# Altium PCB cyber60-mxhs.PcbDoc (part 3 of 4)
Units mm, origin at the board's own origin, x right, y up, seen from the top; angles counter-clockwise.
Board outline 284.73 x 94.2 mm, 2 copper layers (Component Side, Bottom Layer), stack 1.571 mm thick; 236 components, 146 nets, 1621 pads, 605 vias.
Unrouted connection lines stored in the file: 6.
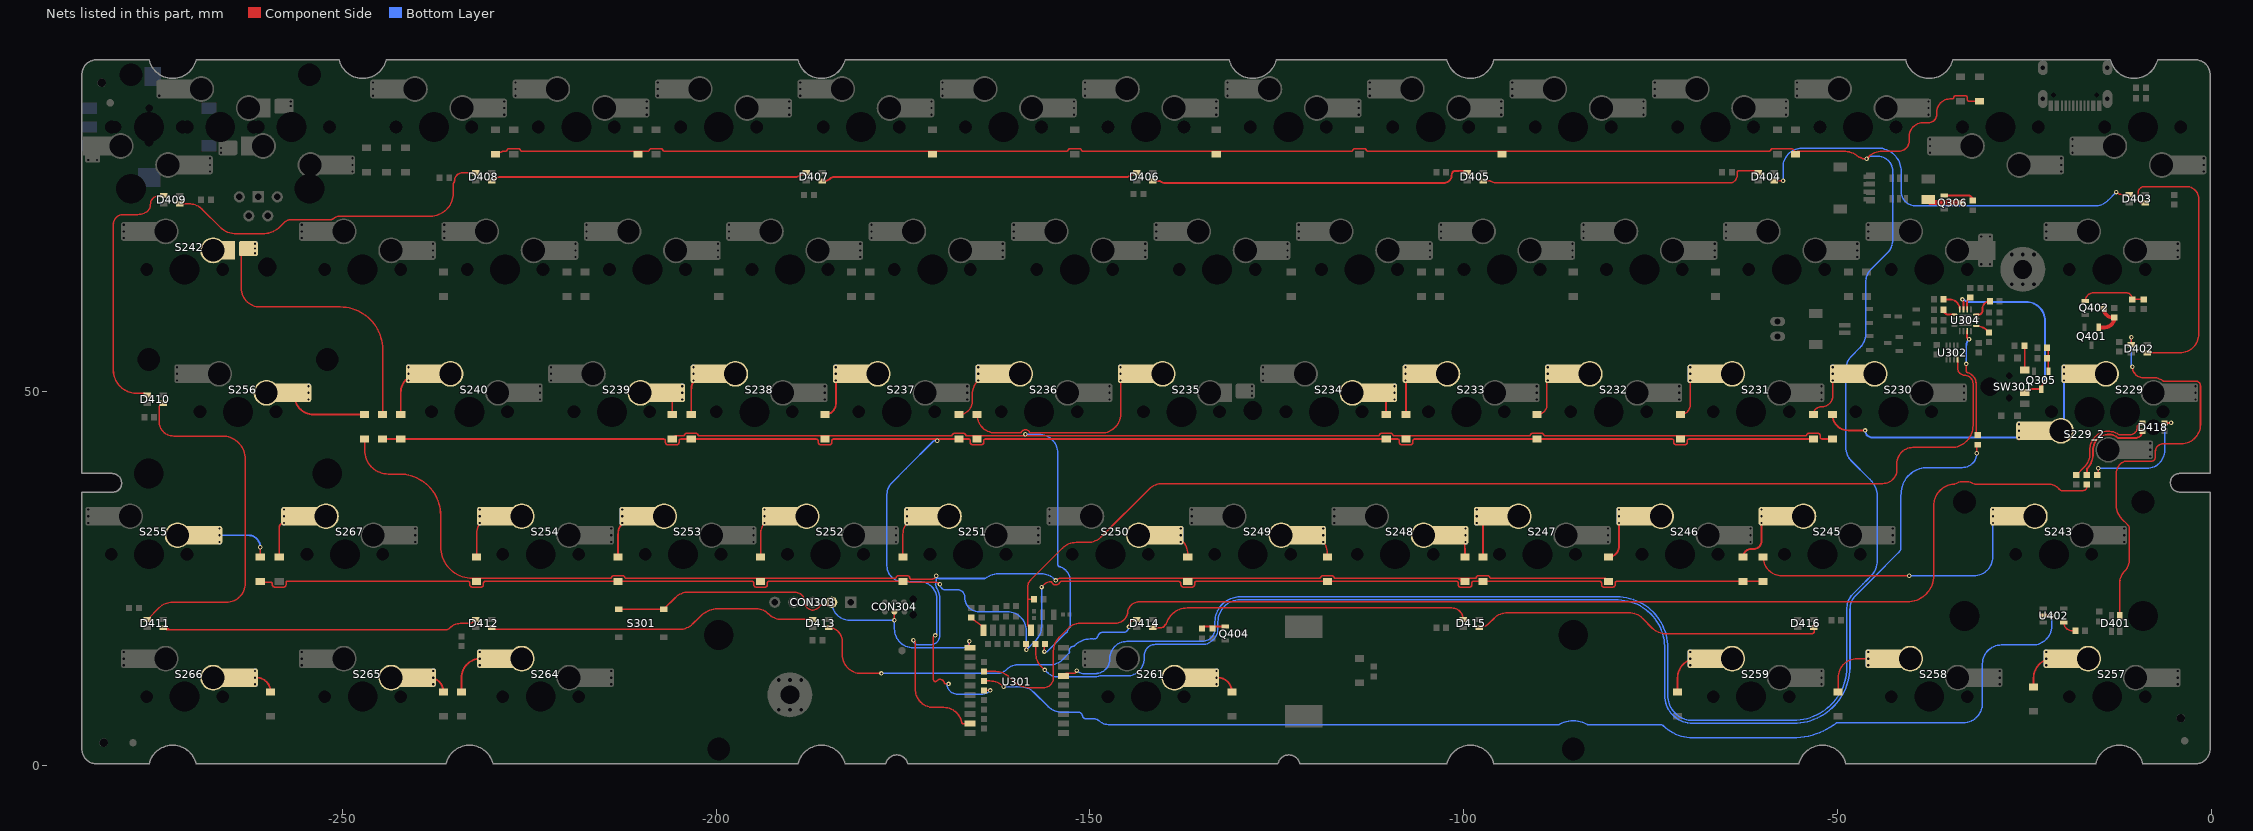
[diagram p3: the nets of this part, all layers, seen from the top]

## Via types
v1: diameter 0.6, hole 0.3, Component Side to Bottom Layer, tented both sides, 594 vias
v2: diameter 1, hole 0.5, Component Side to Bottom Layer, tented both sides, 11 vias

## Nets (pads, with @x,y where several pads share a name; then routed paths per layer and width w, separated by ;. In a path a pad name is that pad's centre, name@x,y a point inside that pad or via, vN(x,y) a via of type N, cw(c..) or ccw(c..) an arc to the next point about the centre after c; other vN are vias at no path point) (continued)
NetD229_1: D229.1 S229.1 S229_2.1 | length 37.4
  Component Side w0.203: S229_2.1@-25.714,43.561 S229_2.1@-25.714,43.886
  Component Side w0.254: D229.1@-50.673,46.95 ccw(c-48.554,46.95) -48.554,44.831 v1(-46.299,44.831)
  Bottom Layer w0.254: v1(-46.299,44.831) ccw(c-45.354,44.831) -45.354,43.886 S229_2.1@-25.714,43.886 ; S229_2.1@-20.104,44.775 ccw(c-21.124,45.796) -19.681,45.796 S229.1@-19.681,51.506
  Bottom Layer w0.7: S229_2.1@-25.714,43.886 S229_2.1@-25.714,44.775 S229_2.1@-25.714,45.664 ; S229.1@-19.681,51.506 S229.1@-19.681,52.395 S229.1@-19.681,53.284
NetD230_1: D230.1 S230.1 | length 8
  Component Side w0.203: D230.1@-53.213,46.95 cw(c-52.157,46.95) -52.157,48.006 -52.07,48.006 ccw(c-52.07,49.438) -51.12,48.367 ccw(c-52.07,49.438) -50.638,49.438 S230.1@-50.638,51.506 ; S230.1@-48.895,52.395 S230.1@-48.778,52.395
  Bottom Layer w0.7: S230.1@-50.638,51.506 S230.1@-50.638,52.395 S230.1@-50.638,53.284
NetD231_1: D231.1 S231.1 | length 7.7
  Component Side w0.203: D231.1@-70.993,46.95 ccw(c-70.993,48.255) -69.688,48.255 S231.1@-69.688,51.506 ; S231.1@-68.453,52.395 S231.1@-67.828,52.395
  Bottom Layer w0.7: S231.1@-69.688,51.506 S231.1@-69.688,52.395 S231.1@-69.688,53.284
NetD232_1: D232.1 S232.1 | length 7.1
  Component Side w0.203: D232.1@-90.17,46.95 ccw(c-90.17,48.255) -88.865,48.255 S232.1@-88.865,51.506
  Bottom Layer w0.7: S232.1@-88.738,51.506 S232.1@-88.738,52.395 S232.1@-88.738,53.284
NetD233_1: D233.1 S233.1 | length 7.3
  Component Side w0.254: S233.1@-107.788,52.395 cw(c-107.788,52.303) -107.696,52.303 D233.1@-107.696,46.95
  Bottom Layer w0.7: S233.1@-107.788,51.506 S233.1@-107.788,52.395 S233.1@-107.788,53.284
NetD234_1: D234.1 S234.1 | length 5
  Component Side w0.254: S234.1@-111.128,49.855 -110.363,49.09 D234.1@-110.363,46.95
  Bottom Layer w0.7: S234.1@-109.268,48.966 S234.1@-109.268,49.855 S234.1@-109.268,50.744
NetD235_1: D235.1 S235.1 | length 28.8
  Component Side w0.203: D235.1@-165.1,47.117 D235.1@-165.1,46.95 ccw(c-162.636,46.95) -165.075,46.597 ccw(c-162.636,46.95) -162.636,44.486 -159.338,44.486 ccw(c-159.339,44.69) -159.159,44.596 cw(c-158.623,44.323) -158.087,44.596 ccw(c-157.907,44.69) -157.908,44.486 -148.428,44.486 ccw(c-148.428,47.026) -145.888,47.026 S235.1@-145.888,51.506
  Bottom Layer w0.7: S235.1@-145.888,51.506 S235.1@-145.888,52.395 S235.1@-145.888,53.284
NetD236_1: D236.1 S236.1 | length 10
  Component Side w0.203: D236.1@-167.513,46.95 ccw(c-167.513,48.728) -165.735,48.728 -165.735,49.657 cw(c-163.195,49.657) -164.991,51.453 S236.1@-164.938,51.506 ; S236.1@-164.038,52.395 ccw(c-164.038,50.317) -164.781,52.258 cw(c-163.957,49.855) -163.957,52.395 S236.1@-163.078,52.395
  Bottom Layer w0.7: S236.1@-164.938,51.506 S236.1@-164.938,52.395 S236.1@-164.938,53.284
NetD237_1: D237.1 S237.1 | length 7.9
  Component Side w0.254: D237.1@-185.42,46.95 ccw(c-185.42,48.382) -183.988,48.382 S237.1@-183.988,51.506 ; S237.1@-182.88,52.395 S237.1@-182.128,52.395
  Bottom Layer w0.7: S237.1@-183.988,51.506 S237.1@-183.988,52.395 S237.1@-183.988,53.284
NetD238_1: D238.1 S238.1 | length 8.4
  Component Side w0.254: D238.1@-203.327,46.95 -203.327,50.246 cw(c-201.178,50.246) S238.1@-201.178,52.395
  Bottom Layer w0.7: S238.1@-203.038,51.506 S238.1@-203.038,52.395 S238.1@-203.038,53.284
NetD239_1: D239.1 S239.1 | length 5
  Component Side w0.254: S239.1@-206.378,49.855 cw(c-206.378,49.344) -205.867,49.344 D239.1@-205.867,46.95
  Bottom Layer w0.7: S239.1@-204.518,48.966 S239.1@-204.518,50.744
NetD240_1: D240.1 S240.1 | length 9
  Component Side w0.254: D240.1@-242.189,46.95 -242.189,49.855 cw(c-239.649,49.855) -239.649,52.395 S240.1@-239.278,52.395
  Bottom Layer w0.7: S240.1@-241.138,51.506 S240.1@-241.138,53.284
NetD242_1: D242.1 S242.2 | length 38.6
  Component Side w0.203: S242.2@-263.529,68.905 -263.529,63.881 ccw(c-260.989,63.881) -260.989,61.341 -250.28,61.341 cw(c-250.28,55.663) -244.602,55.663 D242.1@-244.602,46.95
  Bottom Layer w0.7: S242.2@-261.669,68.515 S242.2@-261.669,69.16 S242.2@-261.669,69.794
NetD243_1: D243.1 S243.1 | length 39.9
  Component Side w0.203: D243.1@-59.944,27.9 ccw(c-57.444,27.9) -57.444,25.4 v1(-40.386,25.4)
  Bottom Layer w0.203: v1(-40.386,25.4) -31.746,25.4 ccw(c-31.746,27.94) -29.206,27.94 S243.1@-29.206,32.456
  Bottom Layer w0.7: S243.1@-29.206,32.456 S243.1@-29.206,33.345 S243.1@-29.206,34.234
NetD245_1: D245.1 S245.1 | length 8.8
  Component Side w0.254: D245.1@-62.611,27.9 cw(c-61.555,27.9) -61.904,28.897 cw(c-61.555,27.9) -61.555,28.956 -61.214,28.956 ccw(c-61.214,30.007) -60.163,30.007 S245.1@-60.163,32.456 ; S245.1@-59.182,33.345 S245.1@-58.303,33.345
  Bottom Layer w0.7: S245.1@-60.163,32.456 S245.1@-60.163,33.345 S245.1@-60.163,34.234
NetD246_1: D246.1 S246.1 | length 7.9
  Component Side w0.254: D246.1@-80.645,27.9 ccw(c-80.645,29.332) -79.213,29.332 S246.1@-79.213,32.456 ; S246.1@-78.105,33.345 S246.1@-77.353,33.345
  Bottom Layer w0.7: S246.1@-79.213,32.456 S246.1@-79.213,33.345 S246.1@-79.213,34.234
NetD247_1: D247.1 S247.1 | length 7.8
  Component Side w0.254: D247.1@-97.409,27.9 -97.409,32.339 cw(c-96.403,32.339) S247.1@-96.403,33.345
  Bottom Layer w0.7: S247.1@-98.263,32.456 S247.1@-98.263,34.234
NetD248_1: D248.1 S248.1 | length 5.7
  Component Side w0.203: S248.1@-101.603,30.805 cw(c-101.603,29.024) -99.822,29.024 D248.1@-99.822,27.9
  Bottom Layer w0.7: S248.1@-99.743,29.916 S248.1@-99.743,31.694
NetD249_1: D249.1 S249.1 | length 6.1
  Component Side w0.203: S249.1@-120.652,30.805 cw(c-120.652,28.39) -118.237,28.39 D249.1@-118.237,27.9
  Bottom Layer w0.7: S249.1@-118.792,29.916 S249.1@-118.792,31.694
NetD250_1: D250.1 S250.1 | length 6.4
  Component Side w0.203: S250.1@-139.703,30.805 -139.446,30.805 cw(c-139.446,28.265) -136.906,28.265 D250.1@-136.906,27.9
  Bottom Layer w0.7: S250.1@-137.843,29.916 S250.1@-137.843,31.694
NetD251_1: D251.1 S251.1 | length 8.6
  Component Side w0.203: D251.1@-175.006,27.9 -175.006,30.942 cw(c-172.603,30.942) S251.1@-172.603,33.345
  Bottom Layer w0.7: S251.1@-174.463,32.456 S251.1@-174.463,34.234
NetD252_1: D252.1 S252.1 | length 8.6
  Component Side w0.203: D252.1@-194.056,27.9 -194.056,30.942 cw(c-191.653,30.942) S252.1@-191.653,33.345
  Bottom Layer w0.7: S252.1@-193.513,32.456 S252.1@-193.513,34.234
NetD253_1: D253.1 S253.1 | length 8.6
  Component Side w0.254: D253.1@-213.106,27.9 -213.106,30.942 cw(c-210.703,30.942) S253.1@-210.703,33.345
  Bottom Layer w0.7: S253.1@-212.563,32.456 S253.1@-212.563,34.234
NetD254_1: D254.1 S254.1 | length 8.5
  Component Side w0.203: D254.1@-232.029,27.9 -232.029,31.069 cw(c-229.753,31.069) S254.1@-229.753,33.345
  Bottom Layer w0.7: S254.1@-231.613,32.456 S254.1@-231.613,34.234
NetD255_1: D255.1 S255.1 | length 9.6
  Component Side w0.254: D255.1@-260.985,27.9 v1(-260.985,29.21)
  Bottom Layer w0.254: S255.1@-266.43,30.805 -262.58,30.805 cw(c-262.58,29.21) v1(-260.985,29.21) ; S255.1@-266.43,31.694 S255.1@-266.43,31.877
  Bottom Layer w0.7: S255.1@-266.43,29.916 S255.1@-266.43,30.805 S255.1@-266.43,31.694
NetD256_1: D256.1 S256.1 | length 13
  Component Side w0.254: S256.1@-256.39,49.855 -256.39,49.49 ccw(c-253.85,49.49) -253.85,46.95 D256.1@-247.015,46.95
  Bottom Layer w0.7: S256.1@-254.53,48.966 S256.1@-254.53,49.855 S256.1@-254.53,50.744
NetD257_1: D257.1 S257.1 | length 8
  Component Side w0.254: D257.1@-23.749,10.525 -23.749,11.755 cw(c-21.209,11.755) -21.209,14.295 S257.1@-20.202,14.295
  Bottom Layer w0.7: S257.1@-22.062,13.406 S257.1@-22.062,15.184
NetD258_1: D258.1 S258.1 | length 11
  Component Side w0.203: D258.1@-49.911,9.85 -49.911,11.755 cw(c-47.371,11.755) -47.371,14.295 S258.1@-44.009,14.295
  Bottom Layer w0.7: S258.1@-45.869,13.406 S258.1@-45.869,15.184
NetD259_1: D259.1 S259.1 | length 8.7
  Component Side w0.254: D259.1@-71.374,9.85 -71.374,11.755 cw(c-68.834,11.755) -68.834,14.295 S259.1@-67.827,14.295
  Bottom Layer w0.7: S259.1@-69.687,13.406 S259.1@-69.687,15.184
NetD261_1: D261.1 S261.2 | length 6.1
  Component Side w0.203: S261.2@-135.784,10.91 cw(c-134.939,10.91) S261.2@-134.939,11.755
  Component Side w0.254: S261.2@-132.905,11.755 cw(c-132.905,9.85) D261.1@-131,9.85
  Bottom Layer w0.7: S261.2@-133.08,10.866 S261.2@-133.08,12.644
NetD264_1: D264.1 S264.2 | length 9.4
  Component Side w0.254: D264.1@-234.061,9.85 -234.061,11.755 cw(c-231.521,11.755) -231.521,14.295 S264.2@-229.752,14.295
  Bottom Layer w0.7: S264.2@-231.612,13.406 S264.2@-231.612,15.184
NetD265_1: D265.1 S265.1 | length 6.1
  Component Side w0.254: S265.1@-239.709,11.755 -238.379,11.755 cw(c-238.379,9.85) D265.1@-236.474,9.85
  Bottom Layer w0.7: S265.1@-237.849,10.866 S265.1@-237.849,12.644
NetD266_1: D266.1 S266.1 | length 6.8
  Component Side w0.254: S266.1@-263.527,11.755 -261.493,11.755 cw(c-261.493,9.85) D266.1@-259.588,9.85
  Bottom Layer w0.7: S266.1@-261.667,10.866 S266.1@-261.667,12.644
NetD267_1: D267.1 S267.1 | length 7
  Component Side w0.203: S267.1@-256.159,33.345 S267.1@-255.946,33.345
  Component Side w0.254: D267.1@-258.445,27.9 -258.445,31.817 cw(c-257.806,31.817) S267.1@-257.806,32.456
  Bottom Layer w0.254: S267.1@-257.934,33.38 cw(c-257.934,33.126) S267.1@-257.806,33.345
  Bottom Layer w0.7: S267.1@-257.806,32.456 S267.1@-257.806,33.345 S267.1@-257.806,34.234
NetD401_2: D401.2 D402.4 | length 56.1
  Component Side w0.203: D401.2@-12.25,20.065 -12.25,24.336 cw(c-9.822,24.336) -11.539,26.053 ccw(c-12.938,27.452) -10.96,27.452 -10.96,31.742 ccw(c-11.574,31.742) -11.2,32.23 ; -11.08,32.108 ccw(c-11.574,31.742) -11.2,32.229 ; D402.4@-10.717,56.303 -10.717,57.228 cw(c-10.668,57.228) v1(-10.668,57.277) ; v1(-10.541,53.34) ccw(c-9.056,53.34) -9.056,51.855 -8.049,51.855 cw(c-7.721,49.855) -6.47,51.449 ccw(c-6.345,51.61) -6.346,51.407 -2.048,51.407 cw(c-2.048,50.792) -1.434,50.792 -1.434,45.618 cw(c-4,45.618) -4,43.053 -6.404,43.053 ccw(c-6.404,41.989) -7.467,41.989 -7.467,41.297 cw(c-8.081,41.297) -8.081,40.683 -11.535,40.683 ccw(c-11.534,40.48) -11.6,40.672 ccw(c-11.049,39.116) -12.7,39.116 -12.7,34.78 ccw(c-10.16,34.78) -12.573,33.987 ccw(c-10.16,34.78) -11.956,32.984 -11.217,32.245 ccw(c-11.075,32.39) -11.2,32.23
  Bottom Layer w0.203: v1(-10.668,57.277) -10.668,53.467 ccw(c-10.541,53.467) v1(-10.541,53.34)
NetD402_2: D402.2 D403.4 | length 38.1
  Component Side w0.203: D403.4@-8.808,75.279 -9.366,75.279 cw(c-9.366,75.692) -9.779,75.692 -9.779,76.581 cw(c-8.912,76.581) -8.912,77.448 -3.302,77.448 cw(c-3.302,75.797) -1.651,75.797 -1.651,57.768 cw(c-4.216,57.768) -4.216,55.203 D402.2@-8.587,55.203
NetD403_2: D403.2 D404.4 | length 57.1
  Component Side w0.203: D404.4@-58.403,78.232 D404.4@-58.435,78.2 -57.354,78.2 ccw(c-57.354,78.309) v1(-57.277,78.232) ; v1(-12.7,76.708) ccw(c-11.906,77.502) -11.906,76.379 D403.2@-10.938,76.379
  Bottom Layer w0.203: v1(-57.277,78.232) -57.277,80.051 cw(c-54.737,80.051) -54.737,82.591 -50.795,82.591 cw(c-50.598,79.502) -50.598,82.598 -44.577,82.598 cw(c-44.577,79.502) -41.754,80.772 cw(c-44.577,79.502) -41.481,79.502 -41.481,76.835 ccw(c-39.497,76.835) -41.401,76.275 ccw(c-39.497,76.835) -41.032,75.578 ccw(c-40.875,75.706) -41.019,75.563 -40.769,75.313 -40.762,75.306 ccw(c-39.497,76.835) -40.234,74.993 ccw(c-39.497,76.835) -39.497,74.851 -17.653,74.851 -15.61,74.851 ccw(c-15.61,77.391) -13.813,75.595 v1(-12.7,76.708)
NetD404_2: D404.2 D405.4 | length 38.1
  Component Side w0.203: D405.4@-97.368,78.2 -96.47,78.2 cw(c-96.469,77.997) -96.341,78.155 ccw(c-95.737,78.898) -95.737,77.94 -64.428,77.94 ccw(c-64.428,78.95) -63.418,78.95 -63.418,79.344 cw(c-63.215,79.344) -63.247,79.545 cw(c-63.2,79.248) -63.2,79.548 -60.773,79.548 cw(c-60.772,79.345) -60.572,79.38 cw(c-61.021,79.3) D404.2@-60.565,79.3
NetD405_2: D405.2 D406.4 | length 43.2
  Component Side w0.254: D406.4@-141.585,78.2 -140.724,78.2 cw(c-140.723,77.946) -140.561,78.141 ccw(c-139.933,78.898) -139.933,77.915 -102.679,77.915 ccw(c-102.679,78.994) -101.608,78.86 ccw(c-102.679,78.994) -101.6,78.994 cw(c-100.965,78.994) -101.403,79.454 cw(c-101.229,79.269) -101.228,79.523 -99.721,79.523 cw(c-99.721,79.3) D405.2@-99.498,79.3
NetD406_2: D406.2 D407.4 | length 42.4
  Component Side w0.254: D407.4@-185.802,78.2 -185.475,78.2 ccw(c-185.475,79.176) -184.785,78.486 cw(c-184.222,77.923) -184.222,78.719 -145.164,78.719 ccw(c-145.164,79.808) -144.267,79.19 cw(c-144.058,79.046) -144.057,79.3 D406.2@-143.715,79.3
NetD407_2: D407.2 D408.4 | length 42.6
  Component Side w0.254: D408.4@-230.018,78.2 cw(c-228.765,76.947) -228.765,78.719 -189.422,78.719 ccw(c-189.422,79.947) -189.052,78.776 ccw(c-189.38,79.815) -188.487,79.191 cw(c-188.279,79.046) -188.277,79.3 D407.2@-187.932,79.3 cw(c-189.032,79.3) D407.2@-187.954,79.08
NetD408_2: D408.2 D409.4 | length 45.6
  Component Side w0.203: D409.4@-271.731,75.142 -270.528,75.142 cw(c-270.528,72.602) -269.68,74.996 cw(c-270.528,72.602) -268.732,74.398 -266.357,72.023 ccw(c-264.171,74.216) -264.171,71.12 -260.69,71.12 ccw(c-260.69,74.508) -258.293,72.114 -257.803,72.604 cw(c-256.79,71.596) -256.79,73.025 -251.513,73.025 ccw(c-251.513,73.459) -251.206,73.152 cw(c-250.401,72.347) -250.401,73.485 -238.237,73.485 ccw(c-238.237,76.581) -236.056,74.384 ccw(c-238.237,76.581) -235.365,75.425 ccw(c-238.237,76.581) -235.141,76.581 -235.141,76.76 -235.141,77.833 cw(c-234.938,77.833) -235.083,77.976 ccw(c-235.297,78.188) -234.995,78.188 cw(c-233.883,78.188) -234.957,78.476 cw(c-233.883,78.188) -234.95,78.503 cw(c-233.883,78.188) -233.883,79.3 D408.2@-232.148,79.3
NetD409_2: D409.2 D410.4 | length 34.8
  Component Side w0.203: -277.903,49.821 cw(c-277.528,52.894) -278.66,50.013 ccw(c-278.733,49.823) -278.676,50.018 -278.727,50.033 cw(c-278.669,50.228) -278.798,50.071 cw(c-277.528,52.894) -279.864,50.863 ccw(c-280.017,50.73) -279.874,50.874 -279.879,50.879 cw(c-279.736,51.023) -279.908,50.915 cw(c-277.528,52.894) -280.29,51.496 cw(c-277.528,52.894) -280.624,52.894 -280.624,72.382 cw(c-279.302,72.382) -280.217,73.336 cw(c-279.302,72.382) -279.302,73.705 -277.343,73.705 ccw(c-277.343,75.689) -276.493,73.896 cw(c-276.041,72.933) -276.437,73.92 cw(c-276.041,72.933) -276.433,73.922 ccw(c-276.885,75.048) -275.864,74.392 ccw(c-276.885,75.048) -275.685,74.868 ccw(c-275.886,74.899) -275.683,74.906 ; -277.902,49.821 ccw(c-277.528,52.894) -277.528,49.798 -276.463,49.798 D410.4@-276.065,49.55 ; -275.683,74.907 cw(c-275.082,74.93) -275.672,75.048 cw(c-274.478,75.048) -274.478,76.242 D409.2@-273.861,76.242
NetD410_2: D410.2 D411.4 | length 49.1
  Component Side w0.203: D411.4@-276.065,19.55 -274.515,21.1 cw(c-272.719,19.304) -272.719,21.844 -265.509,21.844 ccw(c-265.509,24.384) -262.969,24.384 -262.969,40.973 ccw(c-266.065,40.973) -264.778,43.789 cw(c-264.692,43.973) -264.783,43.791 ccw(c-265.938,41.529) -265.938,44.069 -272.542,44.069 cw(c-272.542,46.053) -274.137,44.873 cw(c-272.542,46.053) -274.488,45.667 cw(c-272.794,45.784) -274.492,45.784 -274.492,47.893 cw(c-273.935,47.893) D410.2@-273.935,48.45
NetD411_2: D411.2 D412.4 | length 43.3
  Component Side w0.203: D412.4@-232.148,19.55 -232.353,19.345 cw(c-233.172,20.163) -233.172,19.006 -234.2,19.006 ccw(c-234.2,17.03) -235.595,18.428 cw(c-236.301,19.131) -236.301,18.135 -272.969,18.135 ; -272.969,18.135 cw(c-272.968,18.338) -273.087,18.174 ccw(c-273.935,17.011) -273.537,18.394 D411.2@-273.935,18.45 ccw(c-273.175,19.21) -273.175,18.135 -272.969,18.135
NetD412_2: D412.2 D413.4 | length 44.3
  Component Side w0.203: D412.2@-230.018,18.45 ccw(c-229.014,19.454) -229.733,18.23 ccw(c-229.63,18.405) -229.63,18.202 -229.535,18.202 ccw(c-229.535,18.405) -229.514,18.203 cw(c-229.402,17.145) -229.4,18.209 -204.918,18.209 ccw(c-204.918,20.749) -203.122,18.953 -202.259,19.815 cw(c-199.649,17.47) -201.135,20.648 cw(c-199.649,17.47) -199.516,20.976 -194.66,20.976 cw(c-194.66,18.648) -193.014,20.294 ccw(c-191.218,22.09) -191.218,19.55 D413.4@-187.065,19.55
NetD413_2: D413.2 D414.4 | length 48.8
  Component Side w0.203: D413.2@-184.935,18.45 cw(c-184.935,16.649) -183.134,16.649 -183.134,14.859 ccw(c-180.594,14.859) -180.594,12.319 v1(-177.891,12.319) ; v1(-144.78,18.542) cw(c-143.772,18.542) -143.772,19.55 D414.4@-143.715,19.55
  Bottom Layer w0.203: v1(-177.891,12.319) -162.415,12.319 ccw(c-162.415,14.115) -161.145,12.845 cw(c-159.656,11.356) -159.656,13.462 -155.409,13.462 ccw(c-155.409,16.002) -153.613,14.206 -152.784,15.035 ccw(c-152.928,15.178) -152.731,15.225 cw(c-152.146,15.367) -152.748,15.367 cw(c-152.146,15.367) -152.186,15.967 ccw(c-152.201,16.17) -152.058,16.026 -152.012,16.071 cw(c-149.932,13.989) -149.932,16.932 -149.605,16.932 cw(c-149.604,16.529) -149.602,16.932 -149.589,16.932 cw(c-149.59,16.729) -149.563,16.93 ccw(c-149.479,17.526) -148.947,17.246 ccw(c-149.479,17.526) -148.899,17.366 cw(c-148.315,17.205) -148.899,17.368 cw(c-148.315,17.205) -148.316,17.811 -145.511,17.811 ccw(c-145.511,18.542) v1(-144.78,18.542) ; -149.563,16.93 ccw(c-149.479,17.526) -149.38,16.933
NetD414_2: D414.2 D415.4 | length 43.9
  Component Side w0.203: D414.2@-141.585,18.45 -140.502,18.45 ccw(c-140.502,19.289) -140.192,18.509 ccw(c-140.304,18.793) -140.018,18.688 ; -140.018,18.689 cw(c-139.734,18.586) -139.893,18.842 ; -139.892,18.843 ccw(c-140.054,19.101) -139.766,19.003 ccw(c-140.054,19.101) -139.763,19.011 ; -139.663,19.289 ccw(c-136.968,18.161) -139.763,19.012 cw(c-136.968,18.161) -139.177,20.073 ; -139.177,20.074 cw(c-136.968,18.161) -136.968,21.083 -101.598,21.083 cw(c-101.598,19.55) D415.4@-100.065,19.55
NetD415_2: D415.2 D416.4 | length 47.1
  Component Side w0.203: D415.2@-97.935,18.45 ccw(c-97.935,20.283) -96.639,18.986 ; -96.639,18.987 -95.922,19.703 cw(c-94.126,17.907) -94.126,20.447 -77.887,20.447 cw(c-77.887,17.907) -76.091,19.703 -74.764,18.376 ccw(c-72.968,20.172) -72.968,17.632 -53.419,17.632 ccw(c-53.419,17.966) -53.086,17.966 -53.086,18.384 ccw(c-53.152,18.384) D416.4@-53.152,18.45
NetD418_1: D418.1 R411.2 | length 14.2
  Component Side w0.203: R411.2@-18.034,38.877 -16.977,39.934 ccw(c-18.791,41.748) -16.226,41.748 cw(c-14.298,41.748) -16.218,41.918 ccw(c-16.421,41.935) -16.219,41.957 cw(c-13.754,42.235) -16.226,42.035 cw(c-13.754,42.235) -16.226,42.435 cw(c-13.754,42.235) -16.168,42.803 ; -15.894,43.489 ccw(c-13.754,42.235) -16.168,42.803 ; D418.1@-9.223,45.804 -9.314,45.804 ccw(c-9.314,45.212) -9.57,45.746 ccw(c-9.314,45.212) -9.906,45.212 cw(c-10.878,45.212) -9.906,45.181 cw(c-10.11,45.188) -9.913,45.135 ccw(c-9.623,45.054) -9.925,45.054 -9.925,45.043 cw(c-10.128,45.044) -9.929,45.002 cw(c-10.878,45.212) -10.878,44.24 -12.23,44.24 cw(c-12.229,44.444) -12.344,44.276 ccw(c-13.754,42.235) -16.168,42.804
NetD418_3: D418.3 R409.1 | length 13
  Component Side w0.254: R409.1@-16.336,38.898 -16.339,38.898 R409.1@-16.637,38.877 -16.637,39.569 cw(c-16.383,39.568) -16.572,39.738 ccw(c-18.791,41.748) -15.797,41.748 cw(c-14.298,41.748) -15.788,41.912 ccw(c-16.041,41.939) -15.789,41.971 cw(c-13.754,42.235) -15.799,42.069 cw(c-13.754,42.235) -15.799,42.072 ; -15.799,42.073 cw(c-13.754,42.235) -15.764,42.649 ; -15.463,43.37 ccw(c-13.754,42.235) -15.764,42.649 ; D418.3@-9.223,44.704 cw(c-10.115,44.704) -10.115,43.812 -12.353,43.812 cw(c-12.352,44.066) -12.505,43.863 ccw(c-13.754,42.235) -14.386,44.187 ccw(c-13.754,42.235) -15.764,42.649
NetD418_4: D418.4 R410.1 | length 16.3
  Component Side w0.203: R410.1@-15.24,38.877 -15.113,39.004 v1(-15.113,39.751)
  Component Side w0.254: D418.4@-6.223,45.804 -5.377,45.804 ccw(c-5.377,45.847) v1@-5.334,45.847
  Bottom Layer w0.203: v1(-15.113,39.751) -8.636,39.751 ccw(c-8.636,42.164) -6.223,42.164 -6.223,45.001 cw(c-5.377,45.001) v1(-5.377,45.847)
NetF301_1: F301.1 Q306.3 | length 4.7
  Component Side w0.7: F301.1@-37.846,75.739 ccw(c-37.418,75.739) -37.418,75.311 Q306.3@-33.344,75.311
NetL301_2: L301.2 U301.25 | length 2.4
  Component Side w0.203: L301.2@-165.889,19.797 -165.566,19.499 -164.541,18.754 U301.25@-164.243,18.106
NetQ305_1: Q305.1 R305.2 R306.1 | length 3.2
  Component Side w0.203: R306.1@-21.956,55.88 cw(c-22.374,55.462) -21.783,55.462 Q305.1@-21.783,52.762
NetQ305_3: Q305.3 SW301.2 U304.15 | length 25.6
  Component Side w0.254: v1(-33.274,62.357) cw(c-33.59,62.041) -33.143,62.041 U304.15@-33.143,61.013 ; SW301.2@-24.925,49.9 cw(c-23.81,48.785) -23.81,50.362 Q305.3@-22.733,50.362 cw(c-21.676,50.362) -22.423,51.11 v1(-22.225,51.308)
  Bottom Layer w0.254: v1(-33.274,62.357) -33.201,62.357 cw(c-33.202,62.103) -33.012,62.271 ccw(c-32.48,62.738) -32.481,62.03 -24.765,62.03 cw(c-24.765,59.49) -22.225,59.49 v1(-22.225,51.308)
NetQ306_1: Q306.1 R315.1 | length 4.3
  Component Side w0.254: Q306.1@-35.744,76.261 -32.558,76.261 cw(c-32.558,75.58) R315.1@-31.877,75.58
NetQ401_1: Q401.1 Q402.3 R402.1 | length 5.1
  Component Side w0.5: Q401.1@-15.052,58.604 -14.279,58.604 ccw(c-14.279,59.929) R402.1@-12.954,59.929 -13.136,59.929 cw(c-13.136,61.214) Q402.3@-14.421,61.214
NetQ402_1: Q402.1 R401.2 R403.1 | length 8.9
  Component Side w0.203: Q402.1@-16.821,62.164 cw(c-15.739,62.164) -15.739,63.246 -11.415,63.246 cw(c-11.415,62.372) R401.2@-10.541,62.372 R403.1@-9.017,62.372
NetQ404_1: Q404.1 R406.1 R408.1 | length 3.3
  Component Side w0.254: R406.1@-135.001,18.303 cw(c-134.701,18.303) -134.701,18.603 Q404.1@-131.883,18.603
NetR307_1: R307.1 U304.14 | length 1.7
  Component Side w0.254: U304.14@-32.643,61.013 -32.643,61.973 cw(c-31.762,61.973) R307.1@-32.385,62.596
NetR308_1: R308.1 U304.12 | length 3
  Component Side w0.254: U304.12@-31.443,60.313 -31.127,60.313 ccw(c-31.127,60.833) -30.607,60.833 -30.607,61.102 cw(c-29.606,61.102) R308.1@-29.606,62.103
NetR310_1: R310.1 U304.16 | length 2.9
  Component Side w0.254: R310.1@-35.799,62.357 -34.987,62.357 cw(c-34.987,61.013) U304.16@-33.643,61.013
NetR311_1: R311.1 SW301.1 | length 3.3
  Component Side w0.203: R311.1@-25.004,56.134 -24.925,56.055 SW301.1@-24.925,52.9
NetR312_1: R312.1 U304.9 | length 2
  Component Side w0.254: U304.9@-31.443,58.813 cw(c-31.443,56.787) -30.011,58.22 R312.1@-29.718,57.927
NetR313_1: R313.1 U304.1 | length 1.8
  Component Side w0.254: R313.1@-35.799,60.96 ccw(c-35.152,60.96) -35.152,60.313 U304.1@-34.343,60.313
NetR314_1: R314.1 U304.7 | length 15.3
  Component Side w0.203: v1(-32.766,53.721) -32.766,52.784 ccw(c-32.524,52.784) -32.731,52.658 ccw(c-32.557,52.764) -32.611,52.568 cw(c-33.02,51.054) -32.524,52.542 cw(c-33.02,51.054) -31.452,51.054 -31.452,45.488 cw(c-34.798,45.488) -31.455,45.331 -31.455,44.424 ccw(c-31.242,44.424) R314.1@-31.426,44.316 ; R314.1@-31.569,44.396 -31.565,44.396 R314.1@-31.426,44.316 ; R314.1@-31.426,44.316 ccw(c-31.242,44.424) R314.1@-31.242,44.211 R314.1@-31.426,44.316
  Component Side w0.254: U304.7@-32.643,58.113 -32.643,57.281 ccw(c-32.385,57.281) v1(-32.385,57.023)
  Bottom Layer w0.254: v1(-32.766,53.721) -32.766,56.103 cw(c-31.465,56.103) v1(-32.385,57.023)
NetR407_2: R407.2 U402.4 | length 2.1
  Component Side w0.203: U402.4@-19.707,19.116 ccw(c-18.625,19.116) -18.625,18.034 R407.2@-18.176,18.034
P0.02/AIN0: D201.2 D203.2 D205.2 D207.2 D209.2 D211.2 D213.2 U301.7 | length 411.6
  Component Side w0.203: D213.2@-229.489,81.78 cw(c-229.227,81.78) -229.227,82.042 -228.831,82.042 ccw(c-228.831,82.245) -228.716,82.077 cw(c-228.374,81.577) -228.374,82.183 -228.168,82.183 ccw(c-228.168,82.386) -227.974,82.325 cw(c-227.686,82.235) -227.686,82.537 -226.466,82.537 cw(c-226.466,82.235) -226.178,82.325 ccw(c-225.984,82.386) -225.984,82.183 -210.439,82.183 -209.118,82.183 ccw(c-209.118,82.386) -208.924,82.325 cw(c-208.636,82.235) -208.636,82.537 -207.416,82.537 cw(c-207.416,82.235) -207.128,82.325 ccw(c-206.934,82.386) -206.934,82.183 -171.069,82.183 -153.111,82.183 ccw(c-153.111,82.386) -152.917,82.325 cw(c-152.629,82.235) -152.629,82.537 -151.409,82.537 cw(c-151.409,82.235) -151.121,82.325 ccw(c-150.927,82.386) -150.927,82.183 -133.096,82.183 -125.984,82.183 -115.011,82.183 ccw(c-115.011,82.386) -114.817,82.325 cw(c-114.529,82.235) -114.529,82.537 -113.309,82.537 cw(c-113.309,82.235) -113.021,82.325 ccw(c-112.827,82.386) -112.827,82.183 -94.869,82.183 -59.131,82.183 ccw(c-59.131,82.386) -58.937,82.325 cw(c-58.649,82.235) -58.649,82.537 -56.228,82.537 cw(c-56.228,82) D203.2@-55.691,82 ; U301.7@-153.543,11.946 cw(c-153.17,11.946) -153.17,12.319 -152.146,12.319 ccw(c-152.146,12.7) v1(-151.765,12.7) ; D203.2@-55.626,81.78 cw(c-55.223,81.78) -55.223,82.183 -49.177,82.183 cw(c-49.177,79.24) -47.205,81.425 ccw(c-47.069,81.575) -47.081,81.373 cw(c-47.117,80.772) -46.72,81.224 ccw(c-46.586,81.377) -46.602,81.174 cw(c-46.634,80.772) -46.592,81.173 cw(c-46.656,80.57) -46.511,81.159 ccw(c-46.462,81.356) -46.462,81.153 v1(-46.101,81.153) -45.815,81.439 ccw(c-45.983,81.553) -45.811,81.445 cw(c-45.297,81.124) -45.654,81.613 cw(c-43.914,79.24) -45.303,81.835 ccw(c-45.398,82.014) -45.296,81.839 cw(c-44.019,79.643) -44.019,82.183 -41.79,82.183 ccw(c-41.79,83.587) -40.386,83.587 -40.386,84.201 cw(c-38.608,84.201) -38.608,85.979 -37.846,85.979 ccw(c-37.846,87.122) -36.703,87.122 -36.703,87.437 cw(c-34.969,87.437) -34.969,89.171 -34.964,89.176 -34.797,89.176 -34.639,89.176 ccw(c-34.639,89.379) -34.438,89.355 cw(c-34.138,89.32) -34.138,89.622 -32.918,89.622 cw(c-32.918,89.32) -32.616,89.32 -32.616,89.068 ccw(c-32.413,89.068) -32.413,88.865 D201.2@-30.988,88.865
  Bottom Layer w0.203: v1(-151.765,12.7) ccw(c-150.792,13.673) -150.792,12.297 -149.273,12.297 ccw(c-149.273,14.224) -147.346,14.224 -147.346,14.366 cw(c-147.143,14.365) -147.346,14.37 ; -147.346,14.371 cw(c-147.143,14.365) -147.345,14.383 ccw(c-147.949,14.442) -147.343,14.41 ccw(c-147.949,14.442) -147.343,14.413 ccw(c-147.949,14.442) -147.343,14.414 cw(c-145.039,14.295) -147.309,14.707 ; -147.334,14.528 cw(c-145.039,14.295) -147.026,15.466 cw(c-145.039,14.295) -146.627,15.968 cw(c-145.039,14.295) -145.033,16.601 ; -146.005,16.39 cw(c-145.039,14.295) -145.033,16.601 ; -145.031,16.601 ccw(c-145.03,16.398) -145.033,16.601 ; -145.03,16.601 -143.002,16.601 -142.966,16.601 -142.839,16.601 -142.712,16.601 -142.51,16.601 -140.316,16.601 -135.163,16.601 -134.996,16.601 ccw(c-135.001,18.335) -133.267,18.335 -133.267,19.221 cw(c-129.921,19.221) -131.207,22.31 cw(c-129.921,19.221) -129.921,22.567 -79.826,22.567 -79.143,22.567 ccw(c-79.071,22.757) -79.085,22.554 cw(c-79.502,15.769) -72.716,16.158 ccw(c-72.513,16.171) -72.704,16.103 -72.704,15.445 -72.704,14.478 -72.704,12.341 -72.704,12.117 -72.704,9.382 ccw(c-69.358,9.382) -72.704,9.378 ccw(c-69.358,9.382) -72.408,8.005 ccw(c-69.358,9.382) -71.689,6.981 ccw(c-69.358,9.382) -70.19,6.141 ccw(c-69.358,9.382) -69.363,6.036 ccw(c-69.358,9.382) -69.358,6.036 -66.802,6.036 -64.135,6.036 -59.055,6.036 -58.41,6.036 -58.166,6.036 ccw(c-58.166,6.439) -58.165,6.036 -55.993,6.036 ccw(c-55.991,6.842) -55.991,6.036 ccw(c-55.991,6.842) -55.976,6.036 cw(c-55.974,5.833) -55.975,6.036 -55.891,6.036 ccw(c-55.889,6.842) -55.882,6.036 ccw(c-55.949,13.263) -48.724,13.076 ccw(c-49.53,13.095) -48.724,13.095 -48.724,21.098 cw(c-46.184,21.098) -47.98,22.894 -46.581,24.293 cw(c-46.437,24.149) -46.564,24.308 ccw(c-46.816,24.622) -46.533,24.335 ccw(c-46.816,24.622) -46.531,24.338 -46.085,24.783 -45.521,25.348 ccw(c-47.603,27.428) -44.66,27.428 -44.66,35.905 ccw(c-48.006,35.905) -44.745,36.654 ccw(c-48.006,35.905) -45.639,38.27 -48.151,40.782 cw(c-46.355,42.579) -48.895,42.579 -48.895,52.929 cw(c-46.355,52.929) -48.151,54.725 -46.972,55.904 ccw(c-48.768,57.7) -46.228,57.7 -46.228,64.607 cw(c-43.688,64.607) -45.484,66.403 -43.337,68.55 ccw(c-45.133,70.347) -42.593,70.347 -42.593,79.502 ccw(c-44.577,79.502) -44.577,81.486 -45.683,81.486 ccw(c-45.683,81.283) -45.827,81.427 v1(-46.101,81.153)
P0.05: R303.2 U301.15 U302.8 | length 154.1
  Component Side w0.203: U301.15@-157.893,18.106 cw(c-156.859,19.14) -158.07,18.321 cw(c-156.859,19.14) -158.321,19.14 -158.321,22.225 ; R303.2@-157.495,22.225 -158.321,22.225 ; -42.047,39.624 -42.047,40.408 cw(c-39.91,40.408) -41.323,42.011 cw(c-41.19,41.858) -41.317,42.017 -41.274,42.051 ccw(c-41.401,42.209) -41.258,42.065 cw(c-41.115,41.921) -41.243,42.079 cw(c-39.91,40.408) -39.91,42.545 -34.798,42.545 ccw(c-34.798,45.488) -31.855,45.488 -31.855,51.054 ccw(c-33.02,51.054) -33.02,52.219 cw(c-33.02,53.108) -33.909,53.108 -33.909,53.812 ; -42.037,39.624 cw(c-43.942,39.624) -43.942,37.719 -140.288,37.719 ccw(c-140.288,35.154) -142.102,36.968 -148.474,30.596 cw(c-150.288,32.41) -150.288,29.845 -151.845,29.845 ccw(c-151.845,27.28) -153.659,29.094 -157.929,24.824 ccw(c-156.98,23.876) -158.321,23.876 -158.321,22.225 ; -33.909,53.812 cw(c-32.639,53.987) -33.921,53.987 U302.8@-33.921,54.3 -33.909,54.3 -33.909,53.812
P0.06: R314.2 U301.14 | length 175.4
  Component Side w0.203: U301.14@-157.253,16.256 -157.253,15.056 ccw(c-154.713,15.056) -156.509,13.26 v1(-156.037,12.789) ; v1(-31.369,41.783) -31.369,42.784 cw(c-31.242,42.784) R314.2@-31.242,42.911
  Bottom Layer w0.203: v1(-156.037,12.789) -155.645,12.396 ccw(c-154.432,13.609) -154.432,11.894 -149.273,11.894 ccw(c-149.273,14.224) -148.64,11.981 cw(c-148.586,11.785) -148.587,11.989 -146.685,11.989 cw(c-146.685,11.585) -146.684,11.989 -146.431,11.989 -145.033,11.989 ccw(c-145.039,14.295) -143.517,12.563 ccw(c-145.039,14.295) -142.905,13.422 ccw(c-145.039,14.295) -142.733,14.311 -142.733,14.699 cw(c-141.234,14.699) -141.234,16.198 cw(c-141.232,15.995) -141.232,16.198 -140.97,16.198 -140.775,16.198 ; -140.318,16.198 -140.775,16.198 ; -41.818,28.48 -45.235,25.063 -45.881,24.418 -46.248,24.051 ccw(c-43.385,21.191) -46.249,24.049 -47.576,22.722 ccw(c-45.78,20.926) -48.32,20.926 -48.32,13.095 cw(c-49.53,13.095) -48.321,13.069 cw(c-55.949,13.263) -55.876,5.633 cw(c-55.889,6.842) -55.892,5.633 -55.972,5.633 cw(c-55.991,6.842) -55.993,5.632 -56.616,5.632 -57.023,5.632 -58.163,5.632 cw(c-58.166,6.439) -58.166,5.632 cw(c-58.166,6.439) -58.168,5.632 -69.358,5.632 cw(c-69.358,9.382) -69.364,5.632 cw(c-69.358,9.382) -73.108,9.382 -73.108,14.673 ccw(c-80.598,14.673) -73.108,14.684 -73.108,15.936 -73.111,15.964 ccw(c-79.502,15.769) -79.307,22.161 cw(c-79.3,22.364) -79.335,22.164 -80.598,22.164 -129.921,22.164 ccw(c-129.921,19.221) -132.864,19.221 -132.864,18.335 cw(c-135.001,18.335) -134.995,16.198 -140.775,16.198 ; -41.818,28.48 ccw(c-42.545,29.215) -41.511,29.215 -41.511,35.814 cw(c-37.465,35.814) -41.469,36.396 ; -41.467,36.42 cw(c-37.973,36.366) -38.74,39.775 cw(c-37.973,36.366) -37.973,39.86 -35.941,39.86 -33.292,39.86 ccw(c-33.292,41.783) v1(-31.369,41.783)
P0.08: D243.2 D245.2 D247.2 D249.2 D251.2 D253.2 D255.2 U301.16 | length 222.1
  Component Side w0.203: D255.2@-260.985,24.63 -260.477,24.511 -259.56,24.511 cw(c-259.56,24.308) -259.357,24.308 -259.357,24.175 ccw(c-259.055,24.175) -259.055,23.873 -257.835,23.873 ccw(c-257.835,24.175) -257.533,24.175 -257.533,24.477 cw(c-257.33,24.477) -257.33,24.68 -233.25,24.68 cw(c-233.28,24.479) -233.144,24.63 cw(c-233.144,24.427) -232.941,24.427 -232.941,24.175 ccw(c-232.639,24.175) -232.639,23.873 -231.419,23.873 ccw(c-231.419,24.175) -231.117,24.175 -231.117,24.427 cw(c-230.914,24.427) -230.914,24.63 D253.2@-213.106,24.63 -195.171,24.63 cw(c-195.171,24.427) -194.968,24.427 -194.968,24.175 ccw(c-194.666,24.175) -194.666,23.873 -193.446,23.873 ccw(c-193.446,24.175) -193.144,24.175 -193.144,24.427 cw(c-192.941,24.427) -192.941,24.63 D251.2@-175.006,24.63 -174.314,24.63 cw(c-174.315,24.427) -174.209,24.601 ccw(c-173.892,25.117) -173.892,24.511 -170.666,24.511 cw(c-170.666,23.644) v1(-170.053,24.257) ; U301.16@-158.523,16.256 cw(c-158.588,16.191) -158.496,16.191 v1(-158.496,15.494) ; v1(-156.464,23.876) -156.064,24.276 cw(c-155.276,23.489) -155.276,24.603 -155.258,24.601 cw(c-155.276,24.399) -155.095,24.492 ccw(c-154.559,24.765) -154.013,24.513 cw(c-153.829,24.427) -153.83,24.63 -138.147,24.63 cw(c-138.147,24.301) -137.818,24.301 -137.818,24.175 ccw(c-137.516,24.175) -137.516,23.873 -136.296,23.873 ccw(c-136.296,24.175) -135.994,24.175 -135.994,24.427 cw(c-135.791,24.427) -135.791,24.63 D249.2@-118.237,24.63 -100.937,24.63 cw(c-100.937,24.427) -100.734,24.427 -100.734,24.175 ccw(c-100.432,24.175) -100.432,23.873 -99.212,23.873 ccw(c-99.212,24.175) -98.91,24.175 -98.91,24.427 cw(c-98.707,24.427) -98.707,24.63 D247.2@-97.409,24.63 -81.76,24.63 cw(c-81.76,24.427) -81.557,24.427 -81.557,24.175 ccw(c-81.255,24.175) -81.255,23.873 -80.035,23.873 ccw(c-80.035,24.175) -79.733,24.175 -79.733,24.427 cw(c-79.53,24.427) -79.53,24.63 D245.2@-62.611,24.63 D243.2@-59.944,24.63
  Bottom Layer w0.203: v1(-170.053,24.257) ccw(c-169.291,24.257) -169.291,23.495 -167.64,23.495 cw(c-167.64,22.606) -166.751,22.606 -166.751,22.479 ccw(c-164.846,22.479) -164.846,20.574 -161.036,20.574 cw(c-161.036,18.034) -158.496,18.034 v1(-158.496,15.494) -157.208,16.782 ccw(c-159.004,18.578) -156.464,18.578 v1(-156.464,23.876)
P0.09/NFC1: D246.2 D248.2 D250.2 D252.2 D254.2 D256.2 U301.41 | length 212.1
  Component Side w0.203: D256.2@-247.015,43.68 -247.015,42.166 ccw(c-243.838,42.166) -243.838,38.989 -242.343,38.989 cw(c-242.343,33.501) -236.855,33.501 -236.855,29.323 ccw(c-232.565,29.323) -232.565,25.033 -232.029,25.033 -214.198,25.033 ccw(c-214.198,25.236) -214.004,25.175 cw(c-213.716,25.085) -213.716,25.387 -212.496,25.387 cw(c-212.496,25.085) -212.208,25.175 ccw(c-212.014,25.236) -212.014,25.033 -196.977,25.033 -195.171,25.033 cw(c-195.171,24.427) -195.169,25.033 -191.135,25.033 -176.098,25.033 ccw(c-176.098,25.236) -175.904,25.175 cw(c-175.616,25.085) -175.616,25.387 -174.396,25.387 cw(c-174.396,25.085) -174.095,25.104 ccw(c-173.892,25.117) -173.892,24.914 -172.72,24.914 -171.248,24.914 ccw(c-171.248,25.706) v1@-170.688,25.146 ; v1(-173.609,16.764) -173.366,16.521 -173.366,10.22 ccw(c-170.915,10.22) -173.101,9.112 ccw(c-170.915,10.22) -170.915,7.769 -169.545,7.769 cw(c-169.545,5.334) -167.148,5.762 ccw(c-166.948,5.799) -166.949,5.596 U301.41@-166.043,5.596 ; v1(-154.559,24.765) cw(c-153.912,24.118) -153.915,25.033 -153.671,25.033 ccw(c-153.671,25.236) -153.67,25.033 -135.363,25.033 -119.329,25.033 ccw(c-119.329,25.236) -119.135,25.175 cw(c-118.847,25.085) -118.847,25.387 -117.627,25.387 cw(c-117.627,25.085) -117.339,25.175 ccw(c-117.145,25.236) -117.145,25.033 -100.934,25.033 ; D248.2@-99.822,24.63 -100.237,24.63 cw(c-100.237,24.833) -100.412,24.731 ccw(c-100.937,24.427) -100.934,25.033 ; D246.2@-80.645,24.63 ccw(c-81.048,24.63) -81.048,25.033 -96.317,25.033 cw(c-96.317,25.236) -96.511,25.175 ccw(c-96.799,25.085) -96.799,25.387 -98.019,25.387 ccw(c-98.019,25.085) -98.307,25.175 cw(c-98.501,25.236) -98.501,25.033 -100.934,25.033
  Bottom Layer w0.203: v1(-173.609,16.764) ccw(c-172.996,16.764) -173.191,16.183 ccw(c-172.996,16.764) -172.996,16.151 -171.334,16.151 ccw(c-171.334,17.399) -170.086,17.399 -170.086,20.394 ccw(c-170.29,20.394) -170.086,20.398 -170.088,20.451 cw(c-169.884,20.455) -170.087,20.475 ccw(c-171.486,20.626) -170.09,20.804 cw(c-169.888,20.828) -170.091,20.827 -170.091,21.018 -170.091,21.208 ; -170.091,21.209 -170.091,22.359 ccw(c-172.713,22.359) -170.292,23.365 ccw(c-172.713,22.359) -170.528,23.808 cw(c-170.358,23.919) -170.561,23.918 ccw(c-170.758,23.869) -170.58,23.967 cw(c-170.053,24.257) -170.584,24.539 ccw(c-170.764,24.634) -170.561,24.633 v1(-170.561,25.4) ccw(c-170.18,25.4) -170.18,25.019 -164.065,25.019 ccw(c-164.066,25.222) -163.942,25.061 cw(c-162.225,22.86) -162.225,25.652 -161.417,25.652 ; -161.417,25.654 -160.183,25.654 cw(c-160.184,24.602) -160.182,25.654 ; -160.135,25.653 ccw(c-160.184,24.602) -160.182,25.654 ; v1(-154.559,24.765) -154.704,24.91 ccw(c-156.5,23.114) -156.5,25.654 -160.182,25.654
P0.17: R409.2 U301.30 | length 169.7
  Component Side w0.203: U301.30@-164.193,12.581 -162.604,12.581 cw(c-162.604,10.041) -160.808,11.837 -160.401,11.43 ; -160.4,11.429 -160.367,11.396 ccw(c-157.999,13.76) -157.999,10.414 -157.099,10.414 -156.21,10.414 ccw(c-156.21,11.746) -154.878,11.746 -154.878,15.33 cw(c-152.338,15.33) -154.134,17.127 -152.877,18.384 cw(c-151.269,16.776) -151.272,19.05 cw(c-151.269,16.776) -151.269,19.05 -146.58,19.05 ccw(c-146.58,20.71) -144.923,20.61 cw(c-144.318,20.57) -144.904,20.726 cw(c-143.392,20.325) -144.349,21.562 cw(c-143.392,20.325) -143.392,21.889 -44.126,21.889 -42.221,21.889 -40.667,21.889 ccw(c-40.667,25.45) -37.106,25.45 -37.106,34.804 cw(c-34.273,34.804) -36.951,35.729 cw(c-34.273,34.804) -34.405,37.634 ccw(c-34.414,37.837) -34.378,37.637 ccw(c-34.378,37.841) -34.282,37.661 cw(c-32.994,35.25) -31.707,37.661 ; -31.55,37.638 -31.549,37.637 -21.629,37.637 cw(c-21.629,36.12) -20.556,37.193 -20.334,36.971 ccw(c-19.797,37.507) -19.797,36.748 -17.281,36.748 ccw(c-17.281,37.45) -17.255,36.749 ccw(c-17.281,37.45) R409.2@-16.579,37.45
P0.18/RESET: CON303.2 CON304.3 S301.2 U301.26 | length 56.3
  Component Side w0.203: S301.2@-213,20.925 S301.2@-207,20.925 -205.472,22.453 cw(c-203.676,20.657) -203.676,23.197 -189.475,23.197 cw(c-189.475,21.844) -188.123,21.844 ccw(c-187.071,21.844) -187.912,21.213 ccw(c-187.071,21.844) -186.14,21.354 cw(c-185.96,21.26) -185.959,21.463 -184.912,21.463 ccw(c-184.912,21.844) CON303.2@-184.531,21.844 ; v1(-176.149,19.431) CON304.3@-176.149,20.574 ; v1(-166.116,16.637) -166.116,15.829 U301.26@-166.043,15.756
  Bottom Layer w0.203: CON303.2@-184.658,21.971 ccw(c-184.531,21.971) CON303.2@-184.531,21.844 ccw(c-182.118,21.844) -182.118,19.431 v1(-176.149,19.431) -176.149,18.288 ccw(c-173.609,18.288) -173.609,15.748 -167.005,15.748 ccw(c-167.005,16.637) v1(-166.116,16.637)
P0.20: U301.32 U402.2 | length 158.2
  Component Side w0.203: U301.32@-164.193,11.311 -163.366,11.311 cw(c-163.366,8.771) -161.57,10.567 v1(-161.544,10.541) ; U402.2@-22.457,20.066 v1(-21.336,20.066)
  Bottom Layer w0.203: v1(-161.544,10.541) -159.294,10.541 cw(c-159.294,8.001) -157.498,9.797 -155.579,7.878 ccw(c-153.783,9.674) -153.783,7.134 -151.765,7.134 cw(c-151.765,6.538) -151.709,7.132 ccw(c-151.691,7.334) -151.662,7.133 cw(c-151.572,6.538) -150.991,6.693 cw(c-151.572,6.538) -150.973,6.588 ccw(c-150.77,6.607) -150.958,6.53 ccw(c-150.565,6.694) -150.565,6.267 -149.468,6.267 cw(c-149.468,5.258) -148.762,5.979 ccw(c-147.543,7.229) -147.543,5.483 -87.276,5.483 ccw(c-87.278,5.686) -87.179,5.509 cw(c-85.349,2.23) -83.52,5.508 ccw(c-83.421,5.686) -83.423,5.483 -73.712,5.483 cw(c-73.712,4.877) -73.293,5.314 ccw(c-69.358,9.382) -69.358,3.723 -57.023,3.723 -55.75,3.723 ccw(c-55.747,4.678) -55.748,3.723 ccw(c-55.747,4.678) -55.745,3.723 ccw(c-55.747,4.678) -55.729,3.723 ; -55.729,3.723 ccw(c-55.767,7.769) -55.661,3.724 ccw(c-55.767,7.769) -55.434,3.737 cw(c-55.418,3.534) -55.43,3.737 ccw(c-55.949,13.263) -50.139,5.696 cw(c-50.016,5.534) -50.017,5.737 -33.147,5.737 ccw(c-33.147,8.277) -30.607,8.277 -30.607,13.589 cw(c-28.067,13.589) -28.067,16.129 -23.876,16.129 ccw(c-23.876,18.669) -21.336,18.669 v1(-21.336,20.066)
P0.22: D230.2 D232.2 D234.2 D236.2 D238.2 D240.2 D242.2 U301.34 | length 246.9
  Component Side w0.203: D242.2@-244.602,43.68 D240.2@-242.189,43.68 -206.982,43.68 cw(c-206.982,43.477) -206.779,43.477 -206.779,43.225 ccw(c-206.477,43.225) -206.477,42.923 -205.257,42.923 ccw(c-205.257,43.225) -204.955,43.225 -204.955,43.477 cw(c-204.752,43.477) -204.752,43.68 D238.2@-203.327,43.68 -186.62,43.68 cw(c-186.62,43.392) -186.332,43.394 cw(c-186.62,43.392) -186.332,43.392 -186.332,43.225 ccw(c-186.03,43.225) -186.073,42.927 ccw(c-186.03,43.225) -186.03,42.923 -184.81,42.923 ccw(c-184.81,43.225) -184.508,43.225 -184.508,43.477 cw(c-184.305,43.477) -184.305,43.68 D236.2@-167.513,43.68 -166.165,43.68 ; v1(-170.688,17.399) ccw(c-170.688,17.14) -170.947,17.14 -170.947,11.643 ccw(c-170.397,11.643) -170.849,11.329 ccw(c-170.397,11.643) -170.835,11.31 ccw(c-170.674,11.434) -170.518,11.304 cw(c-170.053,10.922) -169.471,11.073 ccw(c-169.274,11.125) -169.275,10.922 v1(-168.91,10.922) ; -166.164,43.68 cw(c-166.215,43.483) -166.012,43.483 -166.012,43.225 ccw(c-165.71,43.225) -165.71,42.923 -164.49,42.923 ccw(c-164.49,43.225) -164.188,43.225 -164.188,43.477 cw(c-163.985,43.477) -163.985,43.68 -155.575,43.68 D234.2@-110.363,43.68 -108.811,43.68 cw(c-108.811,43.477) -108.608,43.477 -108.608,43.225 ccw(c-108.306,43.225) -108.306,42.923 -107.086,42.923 ccw(c-107.086,43.225) -106.784,43.225 -106.784,43.477 cw(c-106.581,43.477) -106.581,43.68 D232.2@-90.17,43.68 -72.108,43.68 cw(c-72.108,43.477) -71.905,43.477 -71.905,43.225 ccw(c-71.603,43.225) -71.603,42.923 -70.383,42.923 ccw(c-70.383,43.225) -70.081,43.225 -70.081,43.477 cw(c-69.878,43.477) -69.878,43.68 D230.2@-53.213,43.68 ; U301.34@-164.193,10.041 v1(-163.322,10.041)
  Bottom Layer w0.203: -172.645,24.577 cw(c-172.645,24.174) -172.6,24.575 ccw(c-172.579,24.777) -172.591,24.574 ; v1(-170.688,17.399) -170.549,17.538 ccw(c-170.693,17.682) -170.49,17.682 -170.49,20.389 ccw(c-170.693,20.389) -170.49,20.394 -170.491,20.442 cw(c-169.884,20.455) -170.488,20.517 cw(c-169.884,20.455) -170.487,20.52 ccw(c-171.486,20.626) -170.49,20.755 cw(c-169.888,20.828) -170.494,20.827 ; -170.494,20.827 -170.494,21.209 -170.494,22.359 ccw(c-172.713,22.359) -172.591,24.574 ; v1(-170.434,43.434) -170.796,43.434 ccw(c-170.796,43.231) -170.939,43.375 -174.594,39.72 -176.516,37.798 ccw(c-175.006,36.286) -177.143,36.286 -177.143,26.715 ccw(c-175.006,26.715) -175.006,24.578 -172.711,24.578 cw(c-172.709,24.175) -172.696,24.578 cw(c-172.713,22.359) -172.591,24.574 ; v1@-169.164,11.02 ccw(c-167.64,11.049) -167.64,9.525 -164.568,9.525 ccw(c-164.568,11.287) v1(-163.322,10.041)
P0.26: D229.2 D231.2 D233.2 D235.2 D237.2 D239.2 U301.12 | length 193.4
  Component Side w0.203: D239.2@-205.867,43.68 cw(c-205.464,43.68) -205.464,44.083 -204.419,44.083 ccw(c-204.419,44.286) -204.225,44.225 cw(c-203.937,44.135) -203.937,44.437 -202.717,44.437 cw(c-202.717,44.135) -202.429,44.225 ccw(c-202.235,44.286) -202.235,44.083 -197.866,44.083 -185.42,44.083 -170.688,44.083 -168.605,44.083 ccw(c-168.605,44.286) -168.411,44.225 cw(c-168.123,44.135) -168.123,44.437 -166.903,44.437 cw(c-166.903,44.135) -166.615,44.225 ccw(c-166.421,44.286) -166.421,44.083 -165.1,44.083 -158.75,44.083 -111.455,44.083 ccw(c-111.455,44.286) -111.261,44.225 cw(c-110.973,44.135) -110.973,44.437 -109.753,44.437 cw(c-109.753,44.135) -109.465,44.225 ccw(c-109.271,44.286) -109.271,44.083 -107.696,44.083 -106.582,44.083 -91.454,44.083 -91.262,44.083 ccw(c-91.262,44.286) -91.068,44.225 cw(c-90.78,44.135) -90.78,44.437 -89.56,44.437 cw(c-89.56,44.135) -89.272,44.225 ccw(c-89.078,44.286) -89.078,44.083 -72.644,44.083 -69.483,44.083 -54.305,44.083 ccw(c-54.305,44.286) -54.111,44.225 cw(c-53.823,44.135) -53.823,44.437 -52.603,44.437 cw(c-52.603,44.135) -52.301,44.135 -52.301,43.883 ccw(c-52.098,43.883) -52.098,43.68 D229.2@-50.673,43.68 ; v1(-156.083,15.24) -156.083,16.156 U301.12@-155.983,16.256
  Bottom Layer w0.203: v1(-158.623,44.323) -156.845,44.323 cw(c-156.845,41.783) -154.305,41.783 -154.305,26.946 ccw(c-153.918,26.946) -154.127,26.62 ; v1(-156.083,15.24) -155.702,15.24 -153.162,17.78 ; -153.918,26.559 cw(c-153.918,26.946) -154.127,26.62 ; -153.13,17.748 -153.059,17.819 ccw(c-153.203,17.962) -153,17.948 cw(c-152.4,17.907) -152.741,18.403 ccw(c-152.857,18.569) -152.654,18.568 -152.654,24.765 ccw(c-154.559,24.765) -154.127,26.62